# Altium PCB h桥.PcbDoc (part 1 of 2) (continued)
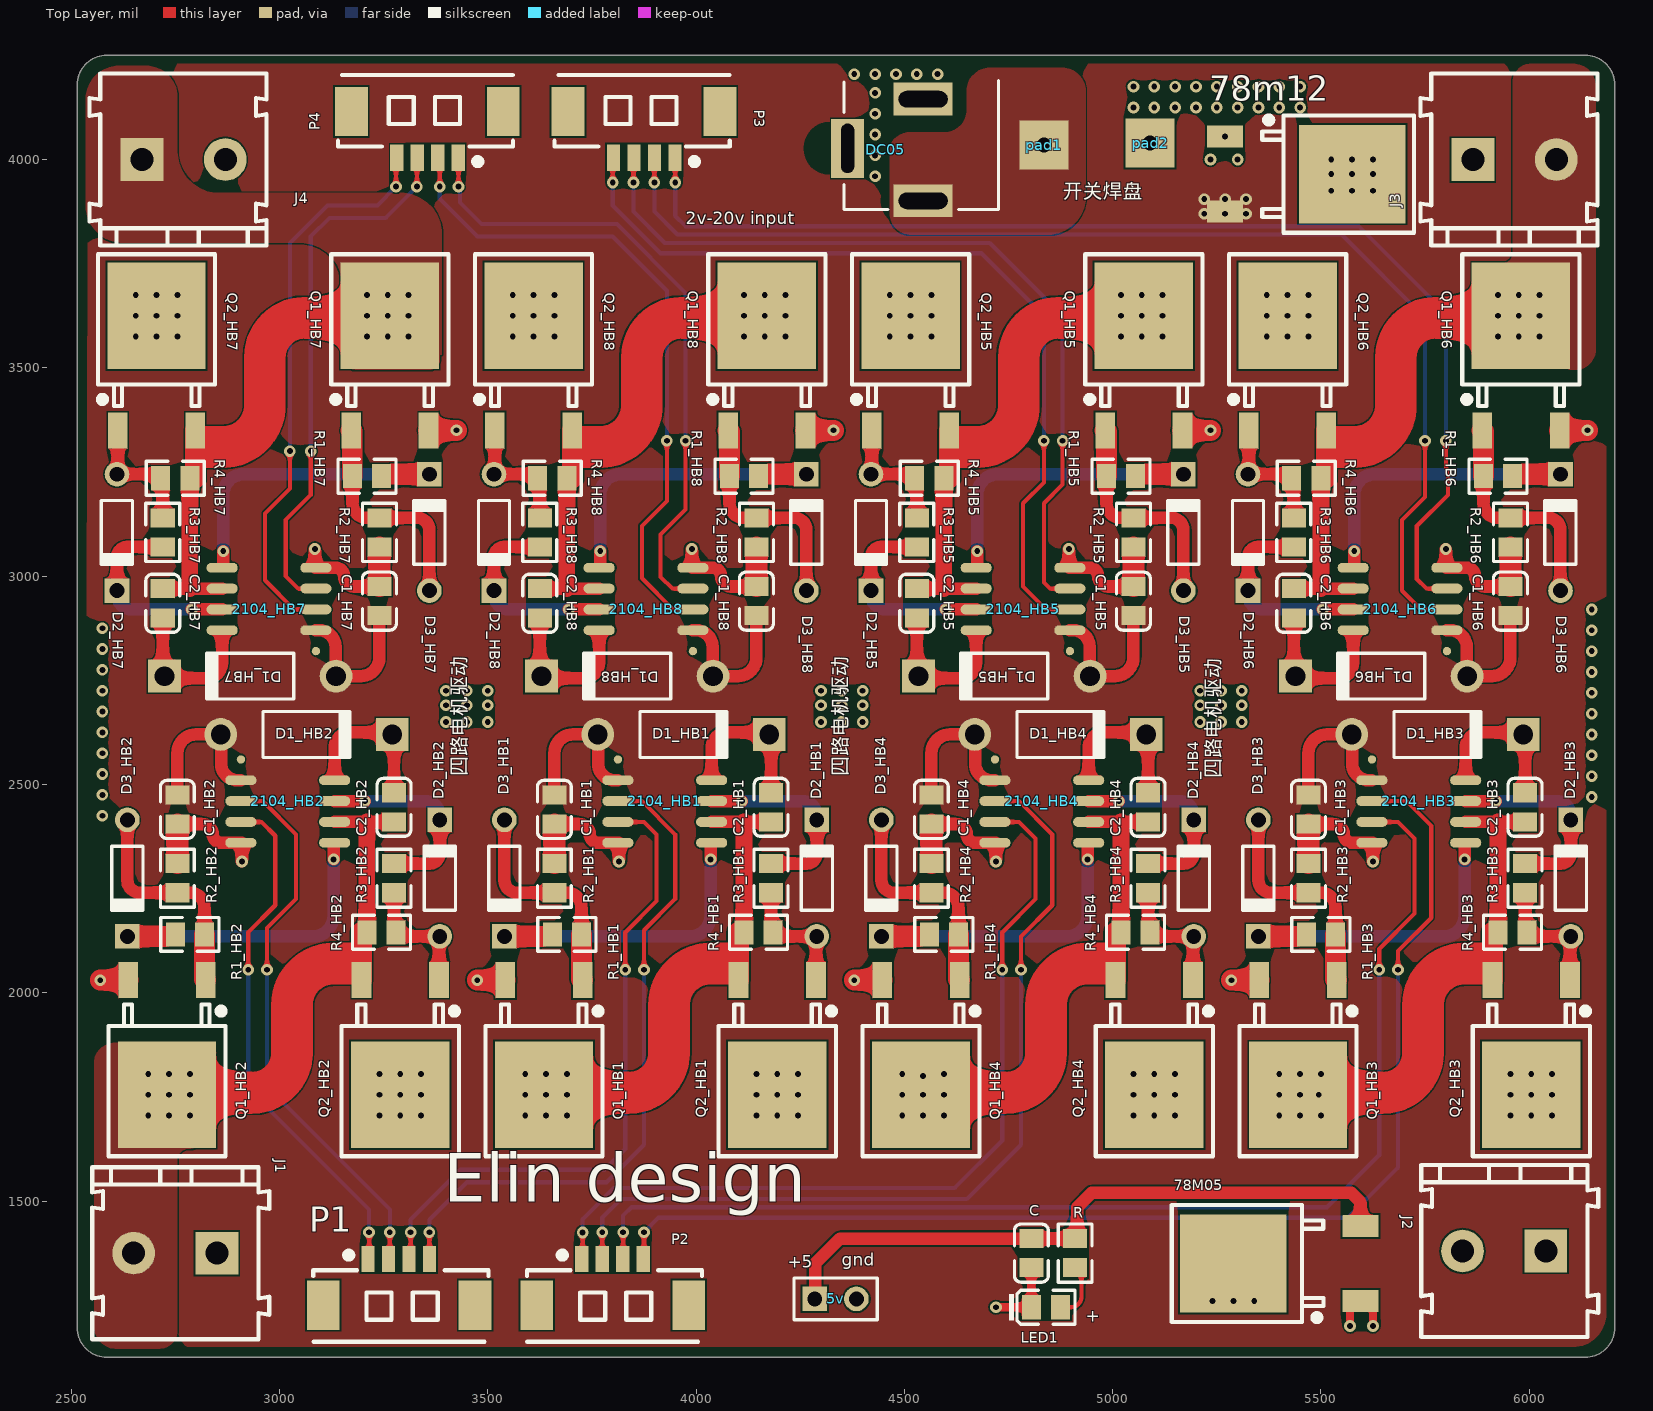
[diagram p0: Top Layer view]
## Components (designator, comment, footprint, x,y, rotation, side; value= is the part's Value field where it differs from the comment) (continued)
C "10uF" 0805_C 4805,1374.96 r270 top
C1_HB1 "100nF" 0805_C 3660,2440 r90 top (schematic designator C1)
C1_HB2 "100nF" 0805_C 2755,2440 r90 top (schematic designator C1)
C1_HB3 "100nF" 0805_C 5470,2440 r90 top (schematic designator C1)
C1_HB4 "100nF" 0805_C 4565,2440 r90 top (schematic designator C1)
C1_HB5 "100nF" 0805_C 5050,2940 r270 top (schematic designator C1)
C1_HB6 "100nF" 0805_C 5955,2940 r270 top (schematic designator C1)
C1_HB7 "100nF" 0805_C 3240,2940 r270 top (schematic designator C1)
C1_HB8 "100nF" 0805_C 4145,2940 r270 top (schematic designator C1)
C2_HB1 "1uF" 0805_C 4180,2445 r90 top (schematic designator C2)
C2_HB2 "1uF" 0805_C 3275,2445 r90 top (schematic designator C2)
C2_HB3 "1uF" 0805_C 5990,2445 r90 top (schematic designator C2)
C2_HB4 "1uF" 0805_C 5085,2445 r90 top (schematic designator C2)
C2_HB5 "1uF" 0805_C 4530,2935 r270 top (schematic designator C2)
C2_HB6 "1uF" 0805_C 5435,2935 r270 top (schematic designator C2)
C2_HB7 "1uF" 0805_C 2720,2935 r270 top (schematic designator C2)
C2_HB8 "1uF" 0805_C 3625,2935 r270 top (schematic designator C2)
D1_HB1 "Diode 1N4007" DO-41 3970,2620 r0 top (schematic designator D1)
D1_HB2 "Diode 1N4007" DO-41 3065,2620 r0 top (schematic designator D1)
D1_HB3 "Diode 1N4007" DO-41 5780,2620 r0 top (schematic designator D1)
D1_HB4 "Diode 1N4007" DO-41 4875,2620 r0 top (schematic designator D1)
D1_HB5 "Diode 1N4007" DO-41 4740,2760 r180 top (schematic designator D1)
D1_HB6 "Diode 1N4007" DO-41 5645,2760 r180 top (schematic designator D1)
D1_HB7 "Diode 1N4007" DO-41 2930,2760 r180 top (schematic designator D1)
D1_HB8 "Diode 1N4007" DO-41 3835,2760 r180 top (schematic designator D1)
D2_HB1 "Diode 1N4148" DO-35 4290,2275 r90 top (schematic designator D2)
D2_HB2 "Diode 1N4148" DO-35 3385,2275 r90 top (schematic designator D2)
D2_HB3 "Diode 1N4148" DO-35 6100,2275 r90 top (schematic designator D2)
D2_HB4 "Diode 1N4148" DO-35 5195,2275 r90 top (schematic designator D2)
D2_HB5 "Diode 1N4148" DO-35 4420,3105 r270 top (schematic designator D2)
D2_HB6 "Diode 1N4148" DO-35 5325,3105 r270 top (schematic designator D2)
D2_HB7 "Diode 1N4148" DO-35 2610,3105 r270 top (schematic designator D2)
D2_HB8 "Diode 1N4148" DO-35 3515,3105 r270 top (schematic designator D2)
D3_HB1 "Diode 1N4148" DO-35 3540,2275 r270 top (schematic designator D3)
D3_HB2 "Diode 1N4148" DO-35 2635,2275 r270 top (schematic designator D3)
D3_HB3 "Diode 1N4148" DO-35 5350,2275 r270 top (schematic designator D3)
D3_HB4 "Diode 1N4148" DO-35 4445,2275 r270 top (schematic designator D3)
D3_HB5 "Diode 1N4148" DO-35 5170,3105 r90 top (schematic designator D3)
D3_HB6 "Diode 1N4148" DO-35 6075,3105 r90 top (schematic designator D3)
D3_HB7 "Diode 1N4148" DO-35 3360,3105 r90 top (schematic designator D3)
D3_HB8 "Diode 1N4148" DO-35 4265,3105 r90 top (schematic designator D3)
DC05 "DC05" "DC-005 - duplicate" 4545,4440.28 r270 top
J1 "接线端子-2P" KF128-5.08-2P 2650,1375 r180 top
J2 "接线端子-2P" KF128-5.08-2P 5840,1380 r180 top
J3 "接线端子-2P" KF128-5.08-2P 6065,4000 r0 top
J4 "接线端子-2P" KF128-5.08-2P 2870,4000 r0 top
LED1 "LED" LED_0805 4840,1245 r180 top
P1 "Header 4" "MX 1.25-WS-4P" 3287.36,1250 r0 top
P2 "Header 4" "MX 1.25-WS-4P" 3800,1250 r0 top
P3 "Header 4" "MX 1.25-WS-4P" 3875,4115 r180 top
P4 "Header 4" "MX 1.25-WS-4P" 3355,4115 r180 top
pad1 "pad" PAD3*3 4835,4035 r0 top
pad2 "pad" PAD3*3 5090,4040 r0 top
Q1_HB1 "NMOS-2" LC-TO-252-2 3635,2030.59 r90 top (schematic designator Q1)
Q1_HB2 "NMOS-2" LC-TO-252-2 2730,2030.59 r90 top (schematic designator Q1)
Q1_HB3 "NMOS-2" LC-TO-252-2 5445,2030.59 r90 top (schematic designator Q1)
Q1_HB4 "NMOS-2" LC-TO-252-2 4540,2030.59 r90 top (schematic designator Q1)
Q1_HB5 "NMOS-2" LC-TO-252-2 5075,3349.41 r270 top (schematic designator Q1)
Q1_HB6 "NMOS-2" LC-TO-252-2 5980,3349.41 r270 top (schematic designator Q1)
Q1_HB7 "NMOS-2" LC-TO-252-2 3265,3349.41 r270 top (schematic designator Q1)
Q1_HB8 "NMOS-2" LC-TO-252-2 4170,3349.41 r270 top (schematic designator Q1)
Q2_HB1 "NMOS-2" LC-TO-252-2-180 4195,2030.59 r270 top (schematic designator Q2)
Q2_HB2 "NMOS-2" LC-TO-252-2-180 3290,2030.59 r270 top (schematic designator Q2)
Q2_HB3 "NMOS-2" LC-TO-252-2-180 6005,2030.59 r270 top (schematic designator Q2)
Q2_HB4 "NMOS-2" LC-TO-252-2-180 5100,2030.59 r270 top (schematic designator Q2)
Q2_HB5 "NMOS-2" LC-TO-252-2-180 4515,3349.41 r90 top (schematic designator Q2)
Q2_HB6 "NMOS-2" LC-TO-252-2-180 5420,3349.41 r90 top (schematic designator Q2)
Q2_HB7 "NMOS-2" LC-TO-252-2-180 2705,3349.41 r90 top (schematic designator Q2)
Q2_HB8 "NMOS-2" LC-TO-252-2-180 3610,3349.41 r90 top (schematic designator Q2)
R "1K" 0805_R 4910,1374.96 r270 top
R1_HB1 "22" 0805_R 3690,2140 r0 top (schematic designator R1)
R1_HB2 "22" 0805_R 2785,2140 r0 top (schematic designator R1)
R1_HB3 "22" 0805_R 5500,2140 r0 top (schematic designator R1)
R1_HB4 "22" 0805_R 4595,2140 r0 top (schematic designator R1)
R1_HB5 "22" 0805_R 5020,3240 r180 top (schematic designator R1)
R1_HB6 "22" 0805_R 5925,3240 r180 top (schematic designator R1)
R1_HB7 "22" 0805_R 3210,3240 r180 top (schematic designator R1)
R1_HB8 "22" 0805_R 4115,3240 r180 top (schematic designator R1)
R2_HB1 "10K" 0805_R 3660,2275 r90 top (schematic designator R2)
R2_HB2 "10K" 0805_R 2755,2275 r90 top (schematic designator R2)
R2_HB3 "10K" 0805_R 5470,2275 r90 top (schematic designator R2)
R2_HB4 "10K" 0805_R 4565,2275 r90 top (schematic designator R2)
R2_HB5 "10K" 0805_R 5050,3105 r270 top (schematic designator R2)
R2_HB6 "10K" 0805_R 5955,3105 r270 top (schematic designator R2)
R2_HB7 "10K" 0805_R 3240,3105 r270 top (schematic designator R2)
R2_HB8 "10K" 0805_R 4145,3105 r270 top (schematic designator R2)
R3_HB1 "22" 0805_R 4180,2275 r270 top (schematic designator R3)
R3_HB2 "22" 0805_R 3275,2275 r270 top (schematic designator R3)
R3_HB3 "22" 0805_R 5990,2275 r270 top (schematic designator R3)
R3_HB4 "22" 0805_R 5085,2275 r270 top (schematic designator R3)
R3_HB5 "22" 0805_R 4530,3105 r90 top (schematic designator R3)
R3_HB6 "22" 0805_R 5435,3105 r90 top (schematic designator R3)
R3_HB7 "22" 0805_R 2720,3105 r90 top (schematic designator R3)
R3_HB8 "22" 0805_R 3625,3105 r90 top (schematic designator R3)
R4_HB1 "10K" 0805_R 4150,2145 r0 top (schematic designator R4)
R4_HB2 "10K" 0805_R 3245,2145 r0 top (schematic designator R4)
R4_HB3 "10K" 0805_R 5960,2145 r0 top (schematic designator R4)
R4_HB4 "10K" 0805_R 5055,2145 r0 top (schematic designator R4)
R4_HB5 "10K" 0805_R 4560,3235 r180 top (schematic designator R4)
R4_HB6 "10K" 0805_R 5465,3235 r180 top (schematic designator R4)
R4_HB7 "10K" 0805_R 2750,3235 r180 top (schematic designator R4)
R4_HB8 "10K" 0805_R 3655,3235 r180 top (schematic designator R4)

## Footprints (in the part's own frame and the unit in brackets; to place one, negate y for a bottom-side part, rotate by r counter-clockwise, add the part's x,y. Pads: shape width x height; smd on the part's side, far side on the other; paste and mask are expansions set on the pad)
78M05 [mm]
  rect 2.2x1.35 smd: 1(-3.876,2.29) 3(-3.871,-2.29)
  rect 6.5x6 smd: 4(3.876,0)
  silkscreen extent -1.61,-3.57 7.64,3.57
0805_C [mm]
  rect 1.16x1.47 smd: 1(-0.89,0) 2(0.89,0)
  silkscreen extent -1.77,-1.04 1.77,1.04, body extent -1,-0.62 1,0.63, height 0.77
0805_R [mm]
  rect 1.16x1.47 smd: 1(-0.89,0) 2(0.89,0)
  silkscreen extent -1.77,-1.04 1.77,1.03, body extent -1,-0.62 1,0.63, height 0.49
"DC-005 - duplicate" [mm] "DC Power Jack,  5.5*2.1mm, PCB Mount"
  rect 2x3.6 hole 3 slot 1 at 0 deg: 1(13.7,0) 2(7.5,0)
  rect 3.6x2 hole 3 slot 0.8 at 90 deg: 3(10.5,-4.6)
  silkscreen extent 6.38,-4.83 14.22,4.6, body extent -0.18,-4.78 14.22,4.52, height 11
DO-35 [mm] "Diode, Axial; Body 3.8 x 1.9 mm (LxDia. max), Lead Dia. 0.53 mm (max)"
  round 1.5 hole 0.9: 1(-3.55,0)
  rect 1.5x1.5 hole 0.9: 2(3.55,0)
  silkscreen extent -1.95,-0.95 2.05,0.95
DO-41 [mm] "Diode, Axial; Body 5.2 x 2.7 mm (LxDia. max), Lead Dia. 0.86 mm (max)"
  round 2 hole 1.2: 1(-5.23,0)
  rect 2x2 hole 1.2: 2(5.23,0)
  silkscreen extent -2.65,-1.4 2.75,1.4
HDR1X2 [mm] "Connector; Header; 2 Position"
  rect 1.5x1.5 hole 0.9: 1(0,0)
  round 1.5 hole 0.9: 2(2.54,0)
  silkscreen extent -1.27,-1.27 3.81,1.27, body extent -1.27,-1.27 3.81,1.27, height 7.58
KF128-5.08-2P [mm] "KF128, pitch 5.08mm, 2Pins, 300V, 10A (250V, 24A)"
  rect 2.6x2.6 hole 1.4: 1(-5.08,0)
  round 2.6 hole 1.4: 2(0,0)
  silkscreen extent -8.27,-5.24 2.52,5.25, body extent -8.23,-5.25 2.53,5.25, height 14.35
LC-TO-252-2 [mm]
  rect 2.2x1.2 smd: 1(0,-2.361) 3(-0.004,2.361)
  rect 6.5x6 smd: 2(-7,0)
  silkscreen extent -10.75,-3.57 -1.5,3.57, body extent -9.74,-3.27 0.2,3.27, height 2.44
LC-TO-252-2-180 [mm] "180度编带包装"
  rect 2.2x1.2 smd: 1(0,2.361) 3(0.004,-2.361)
  rect 6.5x6 smd: 2(7,0)
  silkscreen extent 1.5,-3.57 10.75,3.57, body extent -0.2,-3.27 9.74,3.27, height 2.44
LED_0805 [mm] "贴片二极管"
  rect 1.16x1.47 smd: 1(-0.89,0) 2(0.89,0)
  silkscreen extent -1.77,-1.03 2.24,1.04, body extent -1.01,-0.62 1.01,0.62, height 1.1
"MX 1.25-WS-4P" [mm] "长：10.15mm，宽：4.2mm，高：3.4mm"
  rect 2x3 smd: 0(-4.632,0) 0(4.632,0)
  rect 0.8x1.6 smd: 1(-1.889,2.811) 2(-0.639,2.811) 3(0.611,2.811) 4(1.861,2.811)
  silkscreen extent -5.23,-2.23 5.45,3.25, body extent -5.07,-2.1 5.07,3.09, height 3.4
PAD3*3 [mm] "3MM*3MM"
  rect 3x3 hole 0.9: 1(0,0)
SOP8 [mm]
  round 0.508 smd: 0(-3.175,-2.858)
  oval 0.6x1.9 smd: 1(-1.905,-2.858) 2(-0.635,-2.858) 3(0.635,-2.858) 4(1.905,-2.858) 5(1.905,2.858) 6(0.635,2.858) 7(-0.635,2.858) 8(-1.905,2.858)
  body extent -2.49,-1.99 2.49,1.99, height 1.75

## Part data
5v: "Header, 2-Pin", LatestRevisionDate=17-Jul-2002, LatestRevisionNote="Re-released for DXP Platform.", Publisher="Altium Limited"
78m12: library part 7805
2104_HB1 2104_HB2 2104_HB3 2104_HB4 2104_HB5 2104_HB6 2104_HB7 2104_HB8: library part eg2104
C C1_HB1 C1_HB2 C1_HB3 C1_HB4 C1_HB5 C1_HB6 C1_HB7 C1_HB8 C2_HB1 C2_HB2 C2_HB3 C2_HB4 C2_HB5 C2_HB6 C2_HB7 C2_HB8: library part C
D1_HB1 D1_HB2 D1_HB3 D1_HB4 D1_HB5 D1_HB6 D1_HB7 D1_HB8: "1 Amp General Purpose Rectifier", Code_JEDEC=DO-204-AL, ComponentLink1Description="Manufacturer Link", ComponentLink1URL=http://www.fairchildsemi.com/, ComponentLink2Description=Datasheet, ComponentLink2URL=http://www.fairchildsemi.com/ds/1N%2F1N4001.pdf, DatasheetVersion=1998, LatestRevisionDate=17-Jul-2002, LatestRevisionNote="Re-released for DXP Platform.", PackageDescription="Diode, Axial; Body 5.2 x 2.7 mm (LxDia. max), Lead Dia. 0.86 mm (max)", PackageReference=DO-41, PackageVersion=Aug-1999, Published=8-Jun-2000, Publisher="Altium Limited"
D2_HB1 D2_HB2 D2_HB3 D2_HB4 D2_HB5 D2_HB6 D2_HB7 D2_HB8 D3_HB1 D3_HB2 D3_HB3 D3_HB4 D3_HB5 D3_HB6 D3_HB7 D3_HB8: "High Conductance Fast Diode", Code_JEDEC=DO-204-AH, ComponentLink1Description="Manufacturer Link", ComponentLink1URL=http://www.fairchildsemi.com/, ComponentLink2Description=Datasheet, ComponentLink2URL=http://www.fairchildsemi.com/ds/1N%2F1N4148.pdf, DatasheetVersion=1997, LatestRevisionDate=17-Jul-2002, LatestRevisionNote="Re-released for DXP Platform.", PackageDescription="Diode, Axial; Body 3.8 x 1.9 mm (LxDia. max), Lead Dia. 0.53 mm (max)", PackageReference=DO-35, Published=8-Jun-2000, Publisher="Altium Limited"
DC05: "DC05电源"
J1 J2 J3 J4: "通用接线端子"
P1 P2 P3 P4: "Header, 4-Pin"
pad1 pad2: library part pad1
Q1_HB1 Q1_HB2 Q1_HB3 Q1_HB4 Q1_HB5 Q1_HB6 Q1_HB7 Q1_HB8 Q2_HB1 Q2_HB2 Q2_HB3 Q2_HB4 Q2_HB5 Q2_HB6 Q2_HB7 Q2_HB8: "N-Channel Power MOSFET", ComponentLink1Description="Manufacturer Link", ComponentLink1URL=http://www.irf.com/, DatasheetVersion=PD-9.814, LatestRevisionDate=17-Jul-2002, LatestRevisionNote="Re-released for DXP Platform.", Note="Pin 2 is electrically connected to pin 4.", PackageDescription="TO, Thru-Hole, Vertical, Heatsink Mounted; 3 In-Line Leads; Pitch 2.54 mm", PackageReference=TO-220AB, PackageVersion=Feb-1997, Published=8-Jun-2000, Publisher="Altium Limited"
R R1_HB1 R1_HB2 R1_HB3 R1_HB4 R1_HB5 R1_HB6 R1_HB7 R1_HB8 R2_HB1 R2_HB2 R2_HB3 R2_HB4 R2_HB5 R2_HB6 R2_HB7 R2_HB8 R3_HB1 R3_HB2 R3_HB3 R3_HB4 R3_HB5 R3_HB6 R3_HB7 R3_HB8 R4_HB1 R4_HB2 R4_HB3 R4_HB4 R4_HB5 R4_HB6 R4_HB7 R4_HB8: library part R

## Via types
v1: diameter 28, hole 14, Top Layer to Bottom Layer, tented both sides, 307 vias

## Nets (pads, with @x,y where several pads share a name; then routed paths per layer and width w, separated by ;. In a path a pad name is that pad's centre, name@x,y a point inside that pad or via, vN(x,y) a via of type N, cw(c..) or ccw(c..) an arc to the next point about the centre after c; other vN are vias at no path point)
+5: 5v.1 78M05.3 C.1 R.1 | length 1574.8
  Top Layer w30: 5v.1@4280,1265 4285.6,1270.6 4285.6,1350 4345.6,1410 C.1@4805,1410 R.1@4910,1410 4915,1415 4915,1485 4950,1520 5572.43,1520 5595,1497.43 78M05.3@5595,1440.16
+12: 78m12.3 2104_HB1.1 2104_HB2.1 2104_HB3.1 2104_HB4.1 2104_HB5.1 2104_HB6.1 2104_HB7.1 2104_HB8.1 C1_HB1.2 C1_HB2.2 C1_HB3.2 C1_HB4.2 C1_HB5.2 C1_HB6.2 C1_HB7.2 C1_HB8.2 D1_HB1.1 D1_HB2.1 D1_HB3.1 D1_HB4.1 D1_HB5.1 D1_HB6.1 D1_HB7.1 D1_HB8.1 | length 3082
  Top Layer w30: C1_HB2.2@2755,2475.04 2755,2575 cw(c2800,2575) 2800,2620 D1_HB2.1@2859.09,2620 ; D1_HB2.1@2850,2610.91 cw(c2859.09,2610.91) D1_HB2.1@2859.09,2620 ; 2104_HB2.1@2907.48,2510 2900,2510 cw(c2900,2550) 2860,2550 2860,2620 D1_HB2.1@2859.09,2620 ; 2104_HB7.1@3087.52,2870 3095,2870 cw(c3095,2830) 3135,2830 3135,2760 D1_HB7.1@3135.91,2760 ; D1_HB7.1@3145,2769.09 cw(c3135.91,2769.09) D1_HB7.1@3135.91,2760 ; C1_HB7.2@3240,2904.96 3240,2805 cw(c3195,2805) 3195,2760 D1_HB7.1@3135.91,2760 ; C1_HB1.2@3660,2475.04 3660,2575 cw(c3705,2575) 3705,2620 D1_HB1.1@3764.09,2620 ; D1_HB1.1@3755,2610.91 cw(c3764.09,2610.91) D1_HB1.1@3764.09,2620 ; 2104_HB1.1@3812.48,2510 3805,2510 cw(c3805,2550) 3765,2550 3765,2620 D1_HB1.1@3764.09,2620 ; 2104_HB8.1@3992.52,2870 4000,2870 cw(c4000,2830) 4040,2830 4040,2760 D1_HB8.1@4040.91,2760 ; D1_HB8.1@4050,2769.09 cw(c4040.91,2769.09) D1_HB8.1@4040.91,2760 ; C1_HB8.2@4145,2904.96 4145,2805 cw(c4100,2805) 4100,2760 D1_HB8.1@4040.91,2760 ; C1_HB4.2@4565,2475.04 4565,2575 cw(c4610,2575) 4610,2620 D1_HB4.1@4669.09,2620 ; D1_HB4.1@4660,2610.91 cw(c4669.09,2610.91) D1_HB4.1@4669.09,2620 ; 2104_HB4.1@4717.48,2510 4710,2510 cw(c4710,2550) 4670,2550 4670,2620 D1_HB4.1@4669.09,2620 ; 2104_HB5.1@4897.52,2870 4905,2870 cw(c4905,2830) 4945,2830 4945,2760 D1_HB5.1@4945.91,2760 ; D1_HB5.1@4955,2769.09 cw(c4945.91,2769.09) D1_HB5.1@4945.91,2760 ; C1_HB5.2@5050,2904.96 5050,2805 cw(c5005,2805) 5005,2760 D1_HB5.1@4945.91,2760 ; C1_HB3.2@5470,2475.04 5470,2575 cw(c5515,2575) 5515,2620 D1_HB3.1@5574.09,2620 ; D1_HB3.1@5565,2610.91 cw(c5574.09,2610.91) D1_HB3.1@5574.09,2620 ; 2104_HB3.1@5622.48,2510 5615,2510 cw(c5615,2550) 5575,2550 5575,2620 D1_HB3.1@5574.09,2620 ; 2104_HB6.1@5802.52,2870 5810,2870 cw(c5810,2830) 5850,2830 5850,2760 D1_HB6.1@5850.91,2760 ; D1_HB6.1@5860,2769.09 cw(c5850.91,2769.09) D1_HB6.1@5850.91,2760 ; C1_HB6.2@5955,2904.96 5955,2805 cw(c5910,2805) 5910,2760 D1_HB6.1@5850.91,2760
  other v1: 5220,3870 5270,3870 5320,3870 5220,3905 5270,3905 5320,3905
+600: DC05.1 pad1.1
GND: 5v.2 78M05.4 78m12.4 2104_HB1.4 2104_HB2.4 2104_HB3.4 2104_HB4.4 2104_HB5.4 2104_HB6.4 2104_HB7.4 2104_HB8.4 C1_HB1.1 C1_HB2.1 C1_HB3.1 C1_HB4.1 C1_HB5.1 C1_HB6.1 C1_HB7.1 C1_HB8.1 C.2 DC05.2 DC05.3 LED1.2 Q1_HB1.3 Q1_HB2.3 Q1_HB3.3 Q1_HB4.3 Q1_HB5.3 Q1_HB6.3 Q1_HB7.3 Q1_HB8.3 R2_HB1.2 R2_HB2.2 R2_HB3.2 R2_HB4.2 R2_HB5.2 R2_HB6.2 R2_HB7.2 R2_HB8.2 | length 3275.6
  Top Layer w20: v1(4720,1245) LED1.2@4804.96,1245 C.2@4805,1339.92
  Top Layer w30: C1_HB2.1@2755,2404.96 2815.04,2404.96 cw(c2815.04,2380) 2840,2380 ccw(c2860,2380) 2860,2360 2104_HB2.4@2907.48,2360 cw(c2907.48,2357.48) 2910,2357.48 v1(2910,2315) ; v1(3085,3065) 3085,3022.52 ccw(c3087.52,3022.52) 2104_HB7.4@3087.52,3020 3135,3020 cw(c3135,3000) 3155,3000 ccw(c3179.96,3000) 3179.96,2975.04 C1_HB7.1@3240,2975.04 ; C1_HB1.1@3660,2404.96 3720.04,2404.96 cw(c3720.04,2380) 3745,2380 ccw(c3765,2380) 3765,2360 2104_HB1.4@3812.48,2360 cw(c3812.48,2357.48) 3815,2357.48 v1(3815,2315) ; v1(3990,3065) 3990,3022.52 ccw(c3992.52,3022.52) 2104_HB8.4@3992.52,3020 4040,3020 cw(c4040,3000) 4060,3000 ccw(c4084.96,3000) 4084.96,2975.04 C1_HB8.1@4145,2975.04 ; C1_HB4.1@4565,2404.96 4625.04,2404.96 cw(c4625.04,2380) 4650,2380 ccw(c4670,2380) 4670,2360 2104_HB4.4@4717.48,2360 cw(c4717.48,2357.48) 4720,2357.48 v1(4720,2315) ; v1(4895,3065) 4895,3022.52 ccw(c4897.52,3022.52) 2104_HB5.4@4897.52,3020 4945,3020 cw(c4945,3000) 4965,3000 ccw(c4989.96,3000) 4989.96,2975.04 C1_HB5.1@5050,2975.04 ; C1_HB3.1@5470,2404.96 5530.04,2404.96 cw(c5530.04,2380) 5555,2380 ccw(c5575,2380) 5575,2360 2104_HB3.4@5622.48,2360 cw(c5622.48,2357.48) 5625,2357.48 v1(5625,2315) ; v1(5800,3065) 5800,3022.52 ccw(c5802.52,3022.52) 2104_HB6.4@5802.52,3020 5850,3020 cw(c5850,3000) 5870,3000 ccw(c5894.96,3000) 5894.96,2975.04 C1_HB6.1@5955,2975.04
  Top Layer w50: v1(2570,2030) 2570,2030.43 Q1_HB2.3@2637.04,2030.43 ; R2_HB2.2@2755,2310.04 C1_HB2.1@2755,2404.96 ; C1_HB7.1@3240,2975.04 R2_HB7.2@3240,3069.96 ; Q1_HB7.3@3357.96,3349.57 3425,3349.57 v1(3425,3350) ; v1(3475,2030) 3475,2030.43 Q1_HB1.3@3542.04,2030.43 ; R2_HB1.2@3660,2310.04 C1_HB1.1@3660,2404.96 ; C1_HB8.1@4145,2975.04 R2_HB8.2@4145,3069.96 ; Q1_HB8.3@4262.96,3349.57 4330,3349.57 v1(4330,3350) ; v1(4380,2030) 4380,2030.43 Q1_HB4.3@4447.04,2030.43 ; R2_HB4.2@4565,2310.04 C1_HB4.1@4565,2404.96 ; C1_HB5.1@5050,2975.04 R2_HB5.2@5050,3069.96 ; Q1_HB5.3@5167.96,3349.57 5235,3349.57 v1(5235,3350) ; v1(5285,2030) 5285,2030.43 Q1_HB3.3@5352.04,2030.43 ; R2_HB3.2@5470,2310.04 C1_HB3.1@5470,2404.96 ; C1_HB6.1@5955,2975.04 R2_HB6.2@5955,3069.96 ; Q1_HB6.3@6072.96,3349.57 6140,3349.57 v1(6140,3350)
  other v1: 5240,1260 5290,1260 5340,1260 2575,2425 6150,2470 2575,2475 6150,2520 2575,2525 6150,2570 2575,2575 6150,2620 2575,2625 3400,2650 3450,2650 3500,2650 4300,2650 4350,2650 4400,2650 5210,2650 5260,2650 5310,2650 6150,2670 2575,2675 3400,2690 3450,2690 3500,2690 4300,2690 4350,2690 4400,2690 5210,2690 5260,2690 5310,2690 6150,2720 2575,2725 3400,2725 3450,2725 3500,2725 4300,2725 4350,2725 4400,2725 5210,2725 5260,2725 5310,2725 6150,2770 2575,2775 6150,2820 2575,2825 6150,2870 2575,2875 6150,2920 5525,3925 5575,3925 5625,3925 4430,3960 5525,3965 5575,3965 5625,3965 5525,4000 5575,4000 5625,4000 4430,4010 4430,4060 4430,4110 4430,4160 4380,4205 4430,4205 4480,4205 4530,4205 4580,4205
MT1: 2104_HB1.6 C2_HB1.1 J1.1 Q1_HB1.2 Q2_HB1.3 R4_HB1.1 | length 1206.9
  Top Layer w30: Q1_HB1.2@3635,1755 cw(c3645,1755) Q1_HB1.2@3645,1765 ; 2104_HB1.6@4037.52,2410 4114.96,2410 ; 4115,2410 C2_HB1.1@4180,2409.96
  Top Layer w40: R4_HB1.1@4114.96,2145 4114.96,2369.96 4115,2370 4115,2410
  Top Layer w50: Q2_HB1.3@4102.04,2030.43 R4_HB1.1@4102.04,2145
  Top Layer w100: Q1_HB1.2@3635,1755 cw(c3640,1755) 3640,1760 3645,1760 3690,1760 3840,1760 ccw(c3840,1855) 3935,1855 3935,1970 cw(c4035,1970) 4035,2070 4075,2070
  other v1: 3590,1705 3640,1705 3690,1705 3590,1755 3640,1755 3690,1755 3590,1805 3640,1805 3690,1805
MT2: 2104_HB2.6 C2_HB2.1 J1.2 Q1_HB2.2 Q2_HB2.3 R4_HB2.1 | length 1206.9
  Top Layer w30: Q1_HB2.2@2730,1755 cw(c2740,1755) Q1_HB2.2@2740,1765 ; 2104_HB2.6@3132.52,2410 3209.96,2410 ; 3210,2410 C2_HB2.1@3275,2409.96
  Top Layer w40: R4_HB2.1@3209.96,2145 3209.96,2369.96 3210,2370 3210,2410
  Top Layer w50: Q2_HB2.3@3197.04,2030.43 R4_HB2.1@3197.04,2145
  Top Layer w100: Q1_HB2.2@2730,1755 cw(c2735,1755) 2735,1760 2935,1760 ccw(c2935,1855) 3030,1855 3030,1970 cw(c3130,1970) 3130,2070 3170,2070
  other v1: 2685,1705 2735,1705 2785,1705 2685,1755 2735,1755 2785,1755 2685,1805 2735,1805 2785,1805
MT3: 2104_HB3.6 C2_HB3.1 J2.1 Q1_HB3.2 Q2_HB3.3 R4_HB3.1 | length 1183.4
  Top Layer w30: 2104_HB3.6@5847.52,2410 5924.96,2410 ; 5925,2410 C2_HB3.1@5990,2409.96
  Top Layer w40: R4_HB3.1@5924.96,2145 5924.96,2369.96 5925,2370 5925,2410
  Top Layer w50: Q2_HB3.3@5912.04,2030.43 R4_HB3.1@5912.04,2145
  Top Layer w100: Q1_HB3.2@5450,1760 5650,1760 ccw(c5650,1855) 5745,1855 5745,1970 cw(c5845,1970) 5845,2070 5885,2070
  other v1: 5400,1705 5450,1705 5500,1705 5400,1755 5450,1755 5495,1755 5400,1805 5450,1805 5500,1805
MT4: 2104_HB4.6 C2_HB4.1 J2.2 Q1_HB4.2 Q2_HB4.3 R4_HB4.1 | length 1183.4
  Top Layer w30: 2104_HB4.6@4942.52,2410 5019.96,2410 ; 5020,2410 C2_HB4.1@5085,2409.96
  Top Layer w40: R4_HB4.1@5019.96,2145 5019.96,2369.96 5020,2370 5020,2410
  Top Layer w50: Q2_HB4.3@5007.04,2030.43 R4_HB4.1@5007.04,2145
  Top Layer w100: Q1_HB4.2@4545,1760 4745,1760 ccw(c4745,1855) 4840,1855 4840,1970 cw(c4940,1970) 4940,2070 4980,2070
  other v1: 4495,1705 4545,1705 4595,1705 4495,1755 4545,1755 4595,1755 4545,1800 4495,1805 4595,1805
MT5: 2104_HB5.6 C2_HB5.1 J3.1 Q1_HB5.2 Q2_HB5.3 R4_HB5.1 | length 1206.9
  Top Layer w30: C2_HB5.1@4530,2970.04 4595,2970 ; 4595.04,2970 2104_HB5.6@4672.48,2970 ; Q1_HB5.2@5065,3615 ccw(c5065,3625) Q1_HB5.2@5075,3625
  Top Layer w40: 4595,2970 4595,3010 4595.04,3010.04 R4_HB5.1@4595.04,3235
  Top Layer w50: R4_HB5.1@4607.96,3235 Q2_HB5.3@4607.96,3349.57
  Top Layer w100: 4635,3310 4675,3310 ccw(c4675,3410) 4775,3410 4775,3525 cw(c4870,3525) 4870,3620 5070,3620 ccw(c5070,3625) Q1_HB5.2@5075,3625
  other v1: 5020,3575 5070,3575 5120,3575 5020,3625 5070,3625 5120,3625 5020,3675 5070,3675 5120,3675
MT6: 2104_HB6.6 C2_HB6.1 J3.2 Q1_HB6.2 Q2_HB6.3 R4_HB6.1 | length 1206.9
  Top Layer w30: C2_HB6.1@5435,2970.04 5500,2970 ; 5500.04,2970 2104_HB6.6@5577.48,2970 ; Q1_HB6.2@5970,3615 ccw(c5970,3625) Q1_HB6.2@5980,3625
  Top Layer w40: 5500,2970 5500,3010 5500.04,3010.04 R4_HB6.1@5500.04,3235
  Top Layer w50: R4_HB6.1@5512.96,3235 Q2_HB6.3@5512.96,3349.57
  Top Layer w100: 5540,3310 5580,3310 ccw(c5580,3410) 5680,3410 5680,3525 cw(c5775,3525) 5775,3620 5975,3620 ccw(c5975,3625) Q1_HB6.2@5980,3625
  other v1: 5925,3575 5975,3575 6025,3575 5925,3625 5975,3625 6025,3625 5925,3675 5975,3675 6025,3675
MT7: 2104_HB7.6 C2_HB7.1 J4.1 Q1_HB7.2 Q2_HB7.3 R4_HB7.1 | length 1206.9
  Top Layer w30: C2_HB7.1@2720,2970.04 2785,2970 ; 2785.04,2970 2104_HB7.6@2862.48,2970 ; Q1_HB7.2@3255,3615 ccw(c3255,3625) Q1_HB7.2@3265,3625
  Top Layer w40: 2785,2970 2785,3010 2785.04,3010.04 R4_HB7.1@2785.04,3235
  Top Layer w50: R4_HB7.1@2797.96,3235 Q2_HB7.3@2797.96,3349.57
  Top Layer w100: 2825,3310 2865,3310 ccw(c2865,3410) 2965,3410 2965,3525 cw(c3060,3525) 3060,3620 3260,3620 ccw(c3260,3625) Q1_HB7.2@3265,3625
  other v1: 3210,3575 3260,3575 3310,3575 3210,3625 3260,3625 3310,3625 3210,3675 3260,3675 3310,3675
MT8: 2104_HB8.6 C2_HB8.1 J4.2 Q1_HB8.2 Q2_HB8.3 R4_HB8.1 | length 1206.9
  Top Layer w30: C2_HB8.1@3625,2970.04 3690,2970 ; 3690.04,2970 2104_HB8.6@3767.48,2970 ; Q1_HB8.2@4160,3615 ccw(c4160,3625) Q1_HB8.2@4170,3625
  Top Layer w40: 3690,2970 3690,3010 3690.04,3010.04 R4_HB8.1@3690.04,3235
  Top Layer w50: R4_HB8.1@3702.96,3235 Q2_HB8.3@3702.96,3349.57
  Top Layer w100: 3730,3310 3770,3310 ccw(c3770,3410) 3870,3410 3870,3525 cw(c3965,3525) 3965,3620 4115,3620 4160,3620 4165,3620 ccw(c4165,3625) Q1_HB8.2@4170,3625
  other v1: 4115,3575 4165,3575 4215,3575 4115,3625 4165,3625 4215,3625 4115,3675 4165,3675 4215,3675
Net2104_HB1_5: 2104_HB1.5 D3_HB1.2 R1_HB1.1 | length 773.6
  Top Layer w30: v1(4035,2320) 4035,2345
  Top Layer w50: D3_HB1.2@3540,2135.24 3630,2135.24 3630,2135
  Bottom Layer w30: D3_HB1.2@3540,2135.24 3985.24,2135.24 ccw(c3985.24,2185) 4035,2185 v1(4035,2320)
Net2104_HB1_7: 2104_HB1.7 D2_HB1.2 R3_HB1.1 | length 486.7
  Top Layer w30: 2104_HB1.7@4037.52,2460 v1(4110,2460) ; R3_HB1.1@4180,2310.04 4265.04,2310.04 ccw(c4265.04,2335) 4290,2335 D2_HB1.2@4290,2414.76
  Bottom Layer w30: v1(4110,2460) 4255,2460 cw(c4255,2425) 4290,2425 D2_HB1.2@4290,2414.76
Net2104_HB1_8: 2104_HB1.8 C2_HB1.2 D1_HB1.2 | length 372.5
  Top Layer w30: 2104_HB1.8@4037.52,2520 4037.52,2587.52 cw(c4075,2587.52) 4075,2625 4170.91,2625 cw(c4170.91,2620) D1_HB1.2@4175.91,2620 cw(c4175.91,2615.91) 4180,2615.91 C2_HB1.2@4180,2480.04
Net2104_HB2_5: 2104_HB2.5 D3_HB2.2 R1_HB2.1 | length 773.6
  Top Layer w30: v1(3130,2320) 3130,2345
  Top Layer w50: D3_HB2.2@2635,2135.24 2725,2135.24 2725,2135
  Bottom Layer w30: D3_HB2.2@2635,2135.24 3080.24,2135.24 ccw(c3080.24,2185) 3130,2185 v1(3130,2320)
Net2104_HB2_7: 2104_HB2.7 D2_HB2.2 R3_HB2.1 | length 486.7
  Top Layer w30: 2104_HB2.7@3132.52,2460 v1(3205,2460) ; R3_HB2.1@3275,2310.04 3360.04,2310.04 ccw(c3360.04,2335) 3385,2335 D2_HB2.2@3385,2414.76
  Bottom Layer w30: v1(3205,2460) 3350,2460 cw(c3350,2425) 3385,2425 D2_HB2.2@3385,2414.76
Net2104_HB2_8: 2104_HB2.8 C2_HB2.2 D1_HB2.2 | length 372.5
  Top Layer w30: 2104_HB2.8@3132.52,2520 3132.52,2587.52 cw(c3170,2587.52) 3170,2625 3265.91,2625 cw(c3265.91,2620) D1_HB2.2@3270.91,2620 cw(c3270.91,2615.91) 3275,2615.91 C2_HB2.2@3275,2480.04
Net2104_HB3_5: 2104_HB3.5 D3_HB3.2 R1_HB3.1 | length 773.6
  Top Layer w30: v1(5845,2320) 5845,2345
  Top Layer w50: D3_HB3.2@5350,2135.24 5440,2135.24 5440,2135
  Bottom Layer w30: D3_HB3.2@5350,2135.24 5795.24,2135.24 ccw(c5795.24,2185) 5845,2185 v1(5845,2320)